# Altium PCB PCB1.PcbDoc
Units mm, origin at the board's own origin, x right, y up, seen from the top; angles counter-clockwise.
Board outline 386.65 x 221.13 mm, 2 copper layers (Top Layer, Bottom Layer); 108 components, 51 nets, 270 pads, 20 vias.
Unrouted connection lines stored in the file: 70.
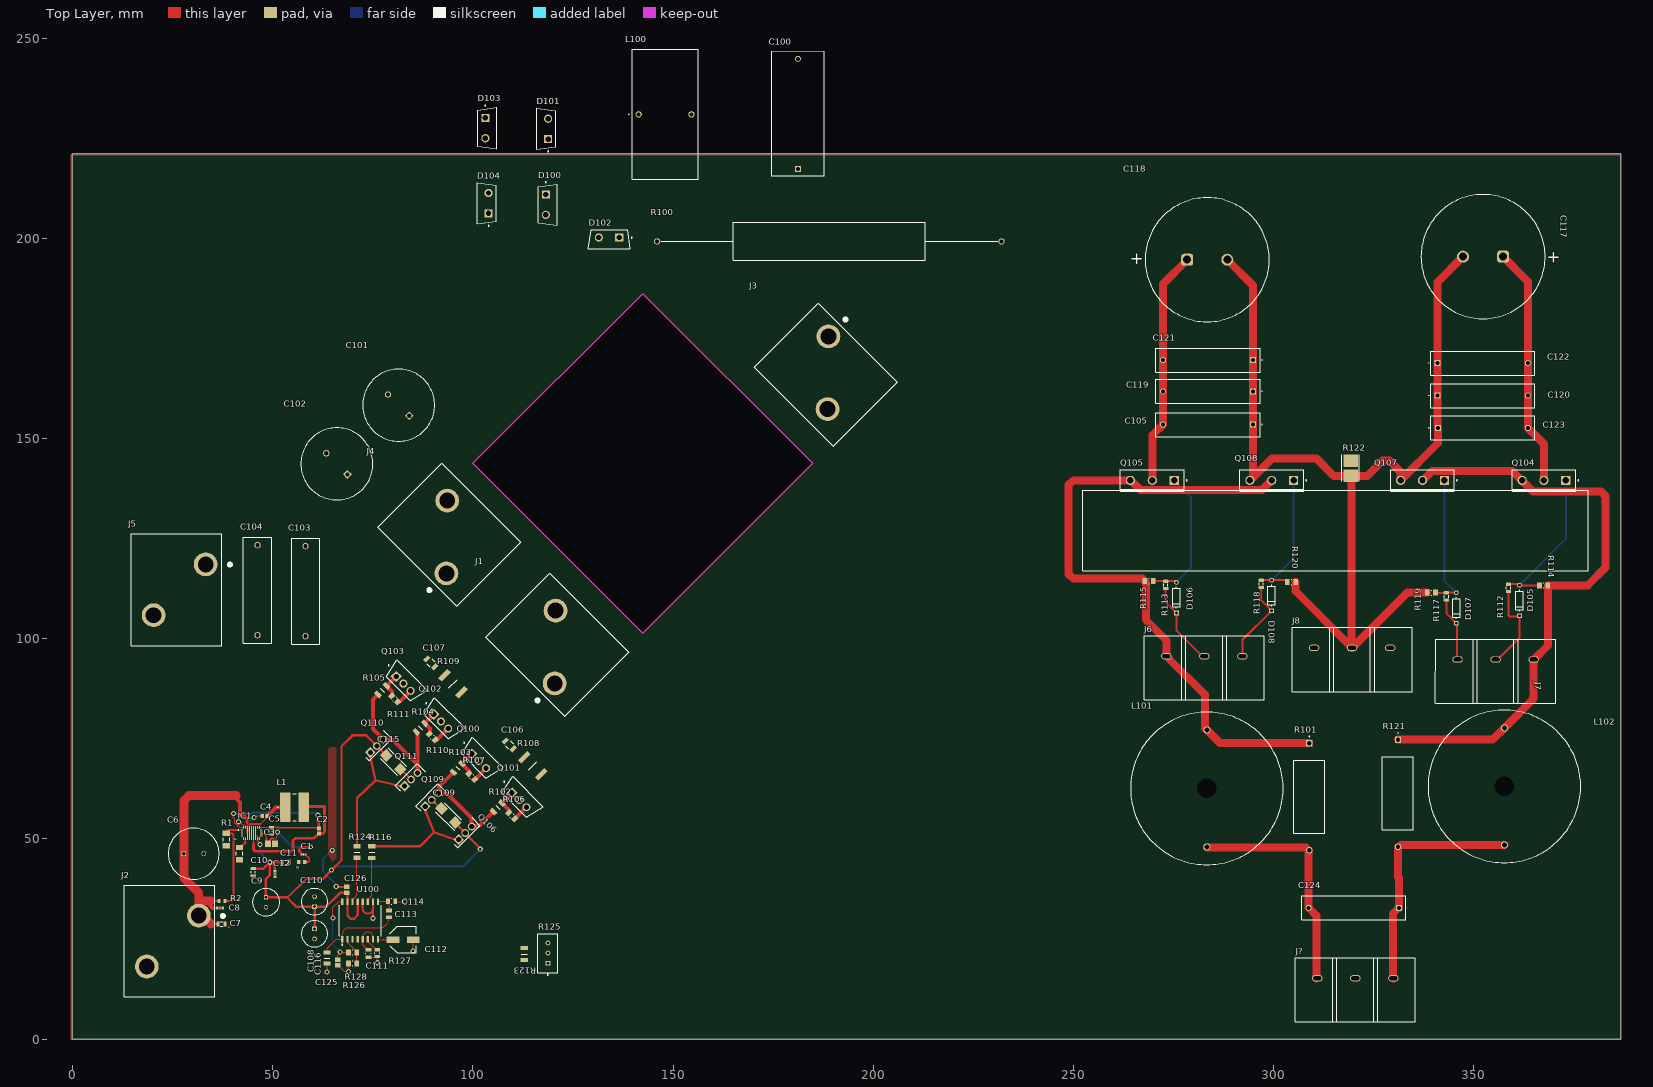
[diagram p0: Top Layer view]
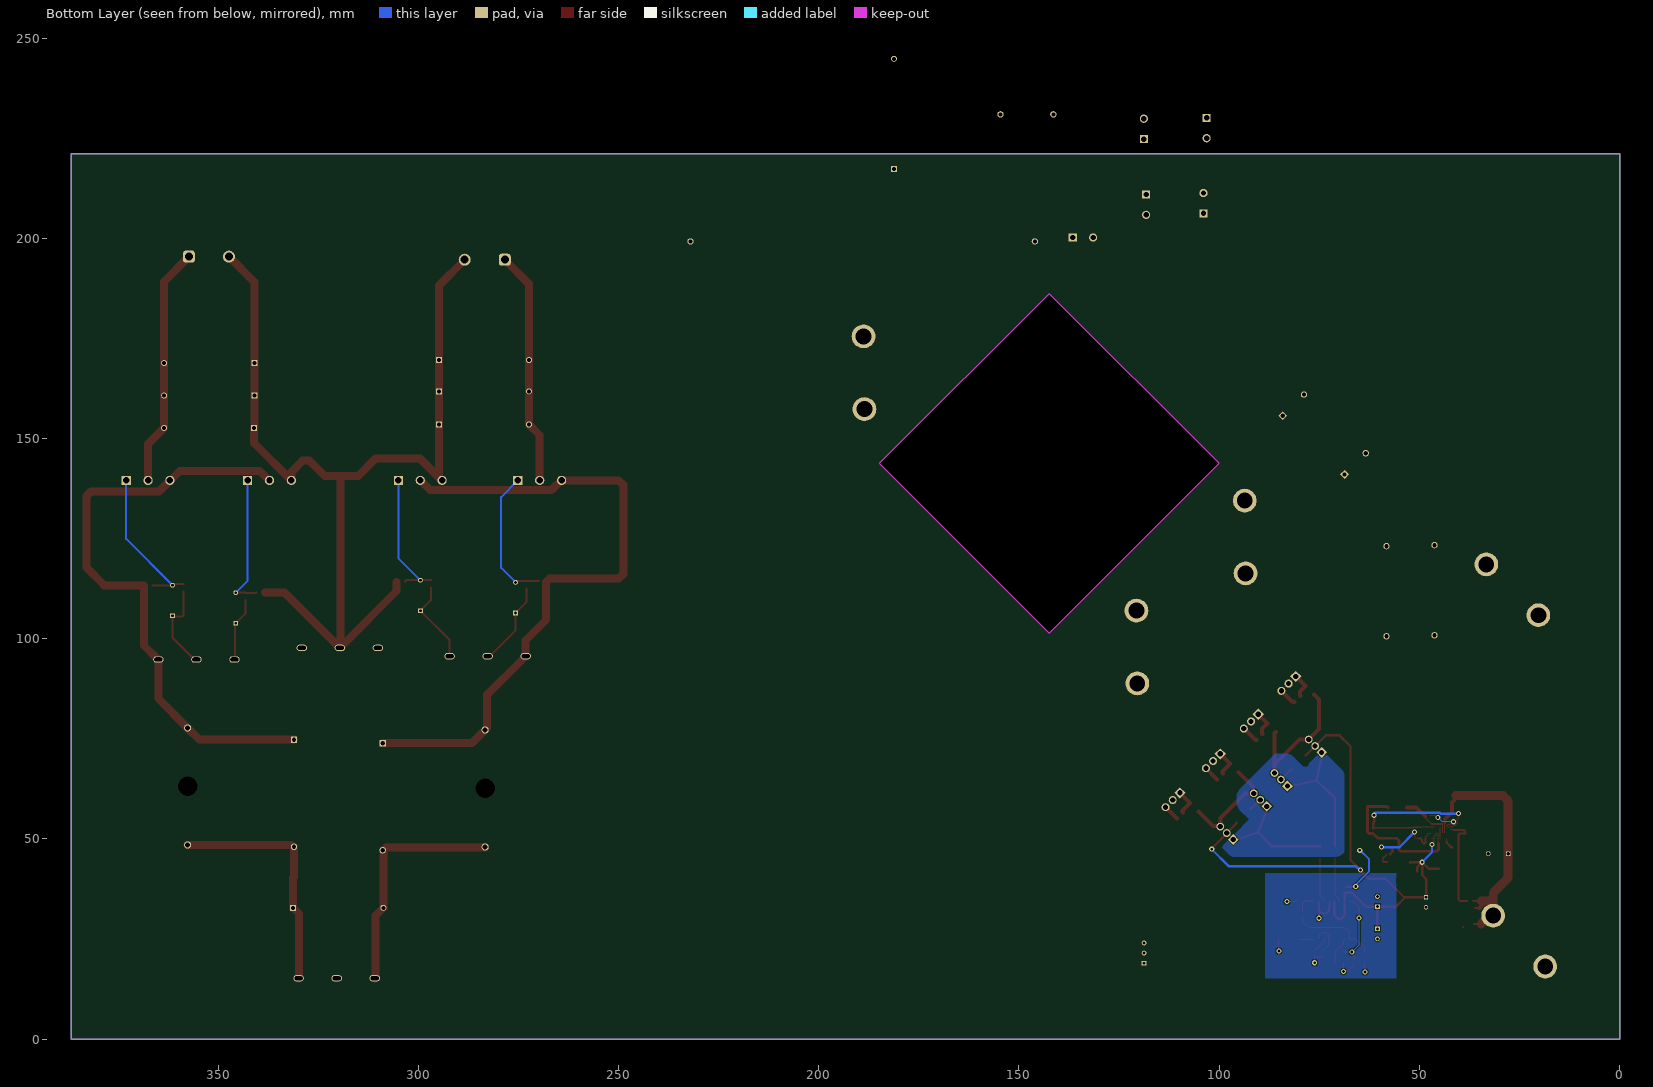
[diagram p1: Bottom Layer view, seen from below]
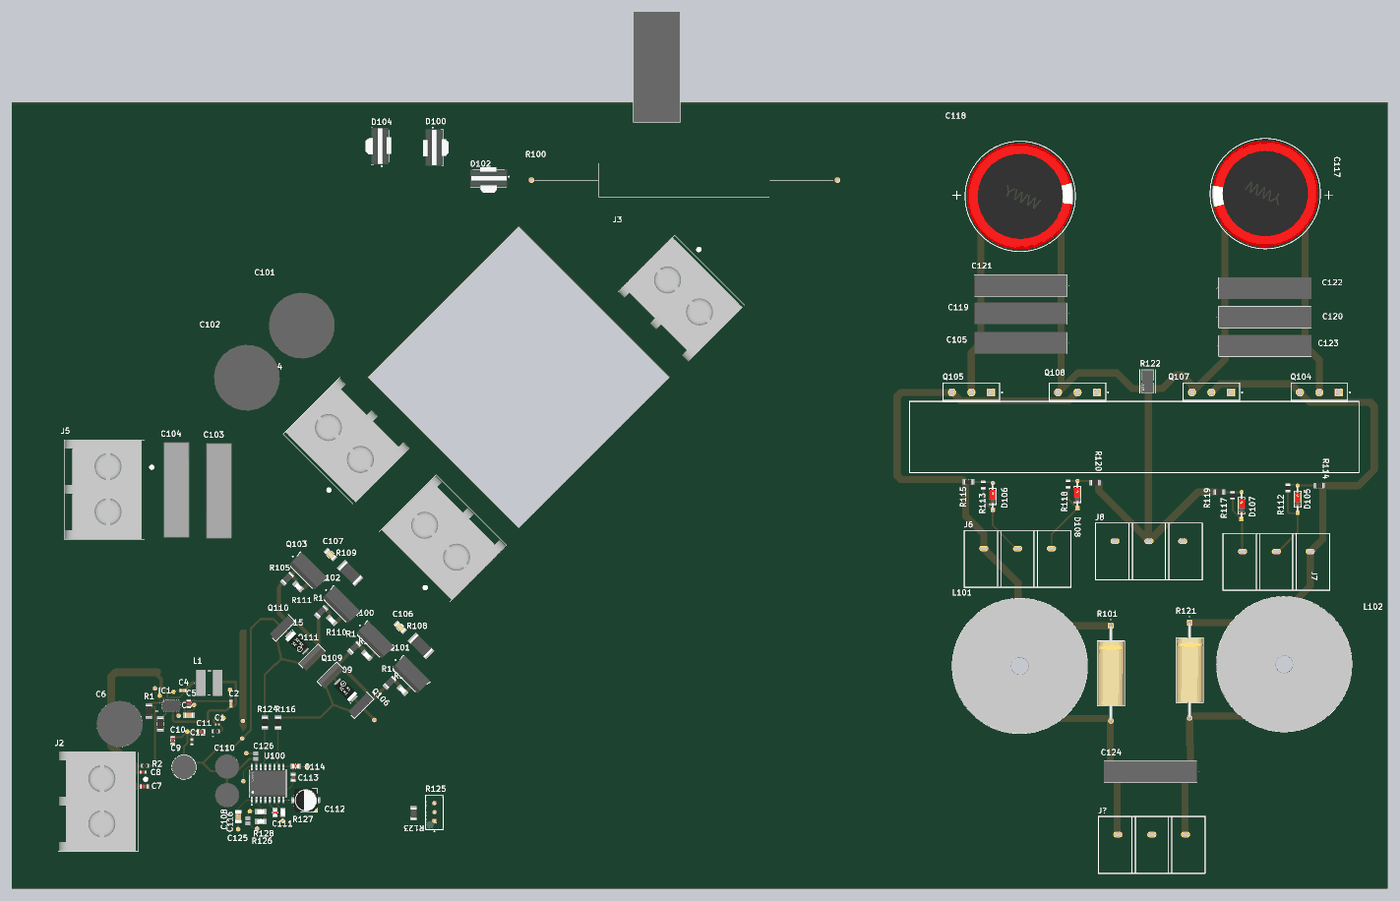
[diagram p2: 3D render of the assembled board from above, using the file's embedded part models]

## Layer stack, top to bottom
Top Solder: solder mask 0.0102, Solder Resist, Dk 3.5
Top Layer: signal copper 0.07
Dielectric 1: dielectric 0.32, FR-4, Dk 4.8
Bottom Layer: signal copper 0.07
Bottom Solder: solder mask 0.0102, Solder Resist, Dk 3.5

## Board outline
0,0 0,221.125 386.65,221.125 386.65,0
cut-out: 142.451,101.349 100.025,143.775 142.451,186.201 184.878,143.775

## Design rules (kind name [scope] priority, off if disabled: settings)
Clearance HV_clearence [InNetClass('HV_nets')] p1: gap=2.5 ignorepadtopadclearanceinfootprint=TRUE
Clearance [All] p2: gap=0.254 ignorepadtopadclearanceinfootprint=TRUE
Creepage HV_creepage [InNetClass('HV')] p1: checkdistance=4 applytopolygonpour=TRUE
PolygonConnect [All] p1: connectstyle=Relief reliefconductorwidth=0.254 reliefentries=4 polygonreliefangle="90 Angle" airgapwidth=0.254
RoutingVias [All] p1: holewidth=0.711 width=1.27 viastyle="Through Hole" minholewidth=0.711 minwidth=1.27 maxholewidth=0.711 maxwidth=1.27
SolderMaskExpansion [All] p1: expansion=0 istentingtop=FALSE
SupplyNets "Schematic Supply Nets_2" [InNet('+400')] p1: voltage=0.000
SupplyNets "Schematic Supply Nets_1" [InNet('VBB')] p2: voltage=0.000
SupplyNets "Schematic Supply Nets" [InNet('GND')] p3: voltage=0.000
Width HV_width [InNetClass('HV_nets')] p1: maxlimit=4 minlimit=0.5 preferedwidth=2 bottomlayer_minwidth=2 minimp=50.000000 maximp=50.000000 favimp=50.000000
Width [All] p2: maxlimit=2.5 minlimit=0.1 preferedwidth=0.254
30 further rules are at their usual default settings.

## Classes and differential pairs
component class U_powersupply: C1 C2 C3 C4 C5 C6 C7 C9 C10 C11 C12 IC1 L1 R1 R2 R3 R4
component class U_24Vto320V: C100 C101 C102 C103 C104 C105 C106 C107 C108 C109 C110 C111 C112 C113 C114 C115 C116 C117 C118 C119 C120 C121 C122 C123 C124 C125 C126 D100 D101 D102 D103 D104 D105 D106 D107 D108 L100 L101 L102 Q100 Q101 Q102 Q103 Q104 Q105 Q106 Q107 Q108 Q109 Q110 Q111 R100 R101 R102 R103 R104 R105 R106 R107 R108 R109 R110 R111 R112 R113 R114 R115 R116 R117 R118 R119 R120 R121 R122 R123 R124 R125 R126 R127 R128 U100
component class Overview: J1 J2 J3 J4 J5 J6 J7 J8 J?

## Components (designator, comment, footprint, x,y, rotation, side; value= is the part's Value field where it differs from the comment)
C1 "Capacitor 1nF +/-20% 50V 0402" CAPC0402(1005)33_L 57.725,46.15 r180 top value=1nF
C2 "Capacitor 100 nF +/-10% 50 V 0603" CAPC1608X90X40NL10T20 61.55,52.025 r270 top value=100nF
C3 "Capacitor 1 uF +/- 10% 25 V 0805" CAPC2013X145X50ML20T25 49.7,48.8 r180 top value=1µF
C4 "Capacitor 100 nF +/-10% 50 V 0603" CAPC1608X90X40NL10T20 48.025,55.75 r0 top value=100nF
C5 "Capacitor 4.7µF +/-40% 25V 0805" CAPC0805(2012)145_L 49.7,52 r90 top value=4.7µF
C6 "EKXJ251ELL560MK20S" CAPPRD500W60D1275H2000 27.8,46.325 r0 top
C7 "Capacitor 22µF +/-40% 16V 0805" CAPC0805(2012)145_L 37.225,28.75 r180 top value=22µF
C8 "Capacitor 1µF +/-40% 50V 0603" CAPC0603(1608)100_L 36.875,32.775 r180 top value=1µF
C9 "35ZLH100MEFC6.3X11" CAPPRD250W50D680H1250 48.35,35.45 r270 top
C10 "Capacitor 22µF +/-40% 16V 0805" CAPC0805(2012)145_L 45.175,41.7 r90 top value=22µF
C11 "Capacitor 22µF +/-40% 16V 0805" CAPC0805(2012)145_L 53.2,44.2 r180 top value=22µF
C12 "Capacitor 1µF +/-40% 50V 0603" CAPC0603(1608)100_L 50.55,41.275 r90 top value=1µF
C100 "4uF 600V" ECWFE2J225P5 181.2,217.325 r90 top
C101 "1500uF 35V" CAPPRD750W85D1800H2200 84.125,155.675 r135 top
C102 "1500uF 35V" CAPPRD750W85D1800H2200 68.7,141.025 r135 top
C103 "1uF" R75IN41004040J 58.225,111.875 r90 top
C104 "1uF" R75IN41004040J 46.225,112.125 r90 top
C105 "KYET MMKP224J2J2201" 222233915224 294.85,153.5 r180 top
C106 "4.7n" FP-C1206C-EB-MFG 109.1,73.5 r315 top value="4,700 pF"
C107 "4.7n4700PF" FP-C1206C-EB-MFG 89.475,93.975 r315 top value="4,700 pF"
C108 "47u" CAPPRD250W55D655H1220 60.475,27.575 r270 top
C109 "293D226X9025C2TE3" CAPPM6032X280N 93.875,55.85 r135 top
C110 "47u" CAPPRD250W55D655H1220 60.475,33.1 r90 top
C111 "CC0805KRX7R9BB472" FP-CC0805-0_85-MFG 73.95,21.4 r270 top value="4.7 nF"
C112 "100u" EEE0JA331XP 82.6,24.875 r0 top
C113 "47n" CAPC2012X145N 79.075,31.3 r90 top
C114 "10n" FP-CC0805-0_85-MFG 79.725,34.45 r0 top value="10 nF"
C115 "293D226X9025C2TE3" CAPPM6032X280N 80.125,69.15 r315 top
C116 "100p" CAPC3216X88N 63.6,20.275 r90 top
C117 "KNSCHA LSG450M277S253S1AA" WCAP-AIG8_D30H30 352.275,195.425 r0 top
C118 "KNSCHA LSG450M277S253S1AA" WCAP-AIG8_D30H30 283.4,194.65 r180 top
C119 "KYET MMKP224J2J2201" 222233915224 294.85,161.8 r180 top
C120 "KYET MMKP224J2J2201" 222233915224 340.95,160.725 r0 top
C121 "KYET MPB105J2J2201" 222233915224 294.85,169.6 r180 top
C122 "KYET MPB105J2J2201" 222233915224 340.95,168.85 r0 top
C123 "KYET MMKP224J2J2201" 222233915224 340.975,152.65 r0 top
C124 "C42Q320543P90001" 222233915224 331.225,32.825 r180 top
C125 "1uF" CAPC2013X140X50LL20T25 66.3,19.15 r270 top
C126 "GCM21BR71E104KA37L" CAPC2013X140X45LL15T25 68.5,37.3 r270 top
D100 "MUR860G" FP-221B-04-MFG 118.698,208.4 r0 top
D101 "MUR860G" FP-221B-04-MFG 118.348,227.325 r180 top
D102 "MUR860G" FP-221B-04-MFG 134.025,199.75 r270 top
D103 "MUR860G" FP-221B-04-MFG 103.593,227.54 r0 top
D104 "MUR860G" FP-221B-04-MFG 103.478,208.765 r180 top
D105 "1N4148" FP-017AG-MFG 361.375,109.55 r90 top
D106 "1N4148" FP-017AG-MFG 275.7,110.275 r90 top
D107 "1N4148" FP-017AG-MFG 345.6,107.7 r90 top
D108 "1N4148" FP-017AG-MFG 299.475,110.812 r90 top
IC1 "TPS55289RYQR" TPS55289RYQR 44.75,51.5 r0 top
J1 "38969-0002" 389690002 120.45,88.85 r135 top
J2 "Battery" 389690002 31.575,30.85 r270 top
J3 "38969-0002" 389690002 188.8,175.525 r315 top
J4 "38969-0002" 389690002 93.4,116.325 r135 top
J5 "Battery" 389690002 33.3,118.575 r270 top
J6 "DORABO DBT50G-9.5-3P-BK-P OGC" "DORABO DBT50G-9.5-3P-BK-P OGC" 282.675,95.65 r0 top
J7 "DORABO DBT50G-9.5-3P-BK-P OGC" "DORABO DBT50G-9.5-3P-BK-P OGC" 355.4,94.825 r0 top
J8 "DORABO DBT50G-9.5-3P-BK-P OGC" "DORABO DBT50G-9.5-3P-BK-P OGC" 319.575,97.725 r0 top
J? "DORABO DBT50G-9.5-3P-BK-P OGC" "DORABO DBT50G-9.5-3P-BK-P OGC" 320.375,15.225 r0 top
L1 "CDRH6D38T125NP-3R9NC" CDRH6D18HPNP101PC 55.45,57.9 r90 top
L100 "2mH" 2300LL102VRC 141.4,230.95 r0 top
L101 "1140-821K-RC" 1140821KRC 283.3,77.23 r270 top
L102 "1140-821K-RC" 1140821KRC 357.6,77.73 r270 top
Q100 "IRFB4115PBF" FP-PG-TO220-3-MFG 101.95,69.9 r45 top
Q101 "IRFB4115PBF" FP-PG-TO220-3-MFG 112.027,60.16 r45 top
Q102 "IRFB4115PBF" FP-PG-TO220-3-MFG 92.475,79.8 r45 top
Q103 "IRFB4115PBF" FP-PG-TO220-3-MFG 83.102,89.235 r45 top
Q104 "IRFP460PBF" VISH-TO-247AC-3 367.475,139.55 r270 top
Q105 "IRFP460PBF" VISH-TO-247AC-3 269.675,139.55 r270 top
Q106 "2SD882" BD235 96.486,49.861 r225 top
Q107 "IRFP460PBF" VISH-TO-247AC-3 337.15,139.55 r270 top
Q108 "IRFP460PBF" VISH-TO-247AC-3 299.5,139.55 r270 top
Q109 "2SB772" TO229P290X760X1320-3P 88.131,58.156 r45 top
Q110 "2SD882" BD235 74.406,71.606 r225 top
Q111 "2SB772" TO229P290X760X1320-3P 82.956,63.231 r45 top
R1 "Resistor 100k +/-1% 1206 250 mW" RESC3216X60X45ML15T20 38.45,49.875 r270 top value=100k
R2 "Resistor 100k +/-1% 0603 100 mW" RESC1608X55X25ML10T15 37.35,34.575 r0 top value=100k
R3 "Resistor 100k +/-1% 0603 100 mW" RESC1608X55X25ML10T15 57.275,44.25 r0 top value=100k
R4 "Resistor 100k +/-1% 1206 250 mW" RESC3216X60X45ML15T20 41.725,46.35 r90 top value=100k
R100 "1K2 10W" SQP10AJB100R 146.025,199.225 r0 top
R101 "AC05000001200JAC00" RES_AC05_VIS 308.875,73.946 r270 top
R102 "10" RESC3216X60N 106.2,57.9 r45 top
R103 "10" RESC3216X60N 96.2,67.725 r45 top
R104 "10" RESC3216X60N 86.925,77.8 r45 top
R105 "10" RESC3216X60N 77.389,87.164 r45 top
R106 "10k" FP-CRCW0805-e3-IPC_A 109.743,55.832 r135 top
R107 "10k" FP-CRCW0805-e3-IPC_A 99.775,65.6 r135 top
R108 "10R" RESC6332X70N 114.95,68.275 r135 top
R109 "10R" RESC6332X70N 95.05,88.775 r135 top
R110 "10k" FP-CRCW0805-e3-IPC_A 89.9,75.475 r135 top
R111 "10k" FP-CRCW0805-e3-IPC_A 80.457,84.968 r135 top
R112 "4.7 Ohm" RESC0805(2012)_L 358.625,112.725 r90 top value=470
R113 "4.7 Ohm" RESC0805(2012)_L 273.025,113.475 r90 top value=470
R114 "Resistor 10k +/-1% 0805 125 mW" RESC2013X50X35ML15T15 367.4,113.35 r180 top value=10k
R115 "Resistor 10k +/-1% 0805 125 mW" RESC2013X50X35ML15T15 268.85,114.4 r0 top value=10k
R116 "12R" RESC3116X65N 74.775,46.7 r90 top
R117 "4.7 Ohm" RESC0805(2012)_L 343.1,110.6 r90 top value=470
R118 "4.7 Ohm" RESC0805(2012)_L 296.875,113.725 r90 top value=470
R119 "Resistor 10k +/-1% 0805 125 mW" RESC2013X50X35ML15T15 339.375,111.525 r0 top value=10k
R120 "Resistor 10k +/-1% 0805 125 mW" RESC2013X50X35ML15T15 304.425,114.15 r180 top value=10k
R121 "AC05000001200JAC00" RES_AC05_VIS 331.025,74.796 r270 top
R122 "GMR100HTCFAR100" FP-GMR100-MFG 319.2,142.6 r270 top
R123 "390k" RESC3216X60N 112.85,21.25 r270 top
R124 "CRCW120612R0FKEAHP" RESC3116X65N 71.075,46.75 r90 top
R125 "3296W-1-103LF" FP-3296W-MFG 118.745,21.5 r0 top
R126 "75k" FP-CRCW0805-e3-IPC_A 69.974,18.95 r0 top
R127 "3k" FP-CRCW0805-e3-IPC_C 76.15,21.474 r90 top
R128 "75k" FP-CRCW0805-e3-IPC_A 69.974,21.675 r0 top
U100 "SG3525ADWR2G" FP-751G-MFG 71.875,29.625 r90 top

## Footprints (in the part's own frame and the unit in brackets; to place one, negate y for a bottom-side part, rotate by r counter-clockwise, add the part's x,y. Pads: shape width x height; smd on the part's side, far side on the other; paste and mask are expansions set on the pad)
2300LL102VRC [mm]
  round 1.59 hole 1.06: 1(0,0) 2(13.208,0)
  silkscreen extent -2.5,-16.25 14.86,16.26, body extent -0.43,-14.91 13.64,14.91, height 30.78
1140821KRC [mm]
  round 1.8 hole 1.216: 1(0,0) 2(29.21,0)
  round 2.451 hole 4.902 unplated: 3(14.605,0)
  silkscreen extent -4.44,-19.05 33.66,19.05, body extent -4.44,-19.05 33.66,19.05, height 26.7
389690002 [mm]
  round 5.94 hole 3.96: 1(0,0) 2(12.7,-13)
  silkscreen extent -7.6,-18.6 20.3,6.05, body extent -7.73,-18.38 20.21,3.21, height 22.48
222233915224 [mm]
  rect 1.5x1.5 hole 1: 1(0,0)
  round 1.5 hole 1: 2(22.5,0)
  silkscreen extent -2.3,-3 24.25,3, body extent -1.75,-3 24.25,3, height 15.6
BD235 [mm]
  rect 1.92x1.92 hole 1.28: 1(0,0)
  round 1.92 hole 1.28: 2(-2.29,0) 3(-4.58,0)
  silkscreen extent -6.19,-1.6 1.61,1.3, body extent -5.99,-1.35 1.41,1.05, height 12.93
CAPC0402(1005)33_L [mm] "Chip Capacitor, Body 1.0x0.5mm, Height 0.33mm, IPC High Density"
  rrect25% 0.5x0.55 smd: 1(-0.45,0) 2(0.45,0)
  silkscreen extent 0,-0.2 0,0.2, body extent -0.5,-0.25 0.5,0.25, height 0.55
CAPC0603(1608)100_L [mm] "Chip Capacitor, Body 1.6x0.8mm, Height 1.0mm, IPC High Density"
  rrect25% 0.66x0.76 smd: 1(-0.7,0) 2(0.7,0)
  silkscreen extent 0,-0.3 0,0.3, body extent -0.8,-0.4 0.8,0.4, height 0.95
CAPC0805(2012)145_L [mm] "Chip Capacitor, Body 2.0x1.2mm, Height 1.45mm, IPC High Density"
  rrect25% 0.76x1.3 smd: 1(-0.9,0) 2(0.89,0)
  silkscreen extent -0.3,-0.55 0.3,0.55, body extent -1,-0.6 1,0.6, height 1.45
CAPC1608X90X40NL10T20 [mm] "Chip Capacitor, 2-Leads, Body 1.70x0.90mm, IPC Medium Density"
  rect 0.95x0.95 smd: 1(-0.625,0) 2(0.625,0)
  body extent -0.85,-0.45 0.85,0.45, height 0.9
CAPC2012X145N [mm]
  rect 0.97x1.47 smd: 1(-0.83,0) 2(0.83,0)
  body extent -1,-0.63 1,0.63, height 1.45
CAPC2013X140X45LL15T25 [mm] "Chip Capacitor, 2-Leads, Body 2.00x1.25mm, IPC High Density"
  rect 1.05x1.35 smd: 1(-0.75,0) 2(0.75,0)
  body extent -1.08,-0.7 1.07,0.7, height 1.4
CAPC2013X140X50LL20T25 [mm] "Chip Capacitor, 2-Leads, Body 2.00x1.25mm, IPC High Density"
  rect 1.1x1.35 smd: 1(-0.7,0) 2(0.7,0)
  body extent -1.1,-0.72 1.1,0.72, height 1.4
CAPC2013X145X50ML20T25 [mm] "Chip Capacitor, 2-Leads, Body 2.2x1.45mm, IPC Low Density"
  rect 1.5x1.55 smd: 1(-0.9,0) 2(0.9,0)
  body extent -1.1,-0.72 1.1,0.73, height 1.45
CAPC3216X88N [mm]
  rect 1.02x1.82 smd: 1(-1.4,0) 2(1.4,0)
  silkscreen extent 0,-0.7 0,0.7, body extent -1.7,-0.9 1.7,0.9, height 0.88
CAPPM6032X280N [mm]
  rect 2.35x2.25 smd: 1(-2.45,0) 2(2.45,0)
  silkscreen extent -3.62,-1.6 3,1.6, body extent -3.1,-1.67 3.1,1.68, height 2.54
CAPPRD250W50D680H1250 [mm]
  rect 1.1x1.1 hole 0.7: 1(0,0)
  round 1.1 hole 0.7: 2(2.5,0)
  silkscreen extent -2.15,-3.4 4.65,3.4, body extent -2.14,-3.4 4.65,3.4, height 12.5
CAPPRD250W55D655H1220 [mm]
  rect 1.15x1.15 hole 0.75: 1(0,0)
  round 1.15 hole 0.75: 2(2.5,0)
  silkscreen extent -2.02,-3.27 4.52,3.27, body extent -2.14,-3.4 4.65,3.4, height 12.2
CAPPRD500W60D1275H2000 [mm]
  rect 1.2x1.2 hole 0.8: 1(0,0)
  round 1.2 hole 0.8: 2(5,0)
  silkscreen extent -3.87,-6.37 8.88,6.37, body extent -3.99,-6.5 9,6.5, height 20
CAPPRD750W85D1800H2200 [mm]
  rect 1.575x1.575 hole 1.05: 1(0,0)
  round 1.575 hole 1.05: 2(7.5,0)
  silkscreen extent -5.25,-9 12.75,9, body extent -5.49,-9.25 13,9.25, height 22
CDRH6D18HPNP101PC [mm]
  rect 7.3x2.65 smd: 1(0,2.325) 2(0,-2.325)
  silkscreen extent -3.35,-0.4 3.35,4.2
"DORABO DBT50G-9.5-3P-BK-P OGC" [mm]
  oval 2.6x1.6 hole 1 slot 2 at 0 deg: 1(-9.5,0) 2(0,0) 3(9.5,0)
  silkscreen extent -15.01,-10.92 15,5.1
ECWFE2J225P5 [mm]
  rect 1.5x1.5 hole 1: 1(0,0)
  round 1.5 hole 1: 2(27.5,0)
  silkscreen extent -1.85,-6.6 29.35,6.6, body extent -1.75,-6.5 29.25,6.5, height 23.6
EEE0JA331XP [mm]
  rect 3.2x1.6 smd: 1(-2.5,0) 2(2.5,0)
  silkscreen extent -4.88,-3.3 3.3,3.3, body extent -3.65,-3.3 3.65,3.3, height 7.7
FP-017AG-MFG [mm]
  rect 1.2x1.2 hole 0.7 paste-2539.97 mask+0: 1(-3.813,0)
  round 1.2 hole 0.7 paste-2539.97 mask+0: 2(3.813,0)
  silkscreen extent -2.68,-0.95 2.68,0.95, body extent -4.51,-1.05 4.51,1.05, height 0.25
FP-221B-04-MFG [mm]
  rect 2.05x2.05 hole 1.35 paste-2539.97 mask+0: 1(-0.445,2.54)
  round 2.05 hole 1.35 paste-2539.97 mask+0: 3(-0.445,-2.54)
  silkscreen extent -2.41,-5.15 2.41,5.75, body extent -2.51,-5.25 2.51,5.25, height 0.25
FP-751G-MFG [mm]
  rect 1.62x0.58 smd paste+0 mask+0: 1(-4.69,4.445) 2(-4.69,3.175) 3(-4.69,1.905) 4(-4.69,0.635) 5(-4.69,-0.635) 6(-4.69,-1.905) 7(-4.69,-3.175) 8(-4.69,-4.445) 9(4.69,-4.445) 10(4.69,-3.175) 11(4.69,-1.905) 12(4.69,-0.635) 13(4.69,0.635) 14(4.69,1.905) 15(4.69,3.175) 16(4.69,4.445)
  silkscreen extent -6.17,-5.23 3.8,5.23, body extent -5.6,-5.48 5.6,5.48, height 0.25
FP-3296W-MFG [mm]
  rect 1.2x1.2 hole 0.7 paste-2539.97 mask+0: 1(0.005,-2.54)
  round 1.2 hole 0.7 paste-2539.97 mask+0: 2(0.005,0) 3(0.005,2.54)
  silkscreen extent -2.48,-5.52 2.48,4.89, body extent -2.58,-4.99 2.58,4.99, height 0.25
FP-C1206C-EB-MFG [mm]
  rect 0.95x1.7 smd paste+0 mask+0: 1(-1.4,0) 2(1.4,0)
  silkscreen extent -0.55,-0.9 0.55,0.9, body extent -2,-1 2,1, height 0.25
FP-CC0805-0_85-MFG [mm]
  rect 0.95x1.4 smd paste+0 mask+0: 1(-0.925,0) 2(0.925,0)
  silkscreen extent -0.08,-0.72 0.08,0.72, body extent -1.6,-1.05 1.6,1.05, height 0.25
FP-CRCW0805-e3-IPC_A [mil]
  rect 47.5x59.38 smd paste+0 mask+0: 1(-41.37,0) 2(41.37,0)
  silkscreen extent -3,-25 3,25, body extent -85,-49 85,49, height 10
FP-CRCW0805-e3-IPC_C [mil]
  rect 31.75x51.5 smd paste+0 mask+0: 1(-33.5,0) 2(33.5,0)
  silkscreen extent -3,-25 3,25, body extent -53,-31 53,31, height 10
FP-GMR100-MFG [mm]
  rect 3.1x3.6 smd paste+0 mask+0: 1(-1.85,0) 2(1.85,0)
  silkscreen extent -3.32,-2.17 3.32,2.17, body extent -3.5,-1.9 3.5,1.9, height 0.25
FP-PG-TO220-3-MFG [mm]
  rect 2x2 hole 1.3 paste-2539.97 mask+0: 1(-0.61,2.54)
  round 2 hole 1.3 paste-2539.97 mask+0: 2(-0.61,0) 3(-0.61,-2.54)
  silkscreen extent -2.41,-5.37 2.41,6, body extent -2.51,-5.6 2.51,5.6, height 0.25
R75IN41004040J [mm]
  round 1.575 hole 1.05: 1(-11.25,0) 2(11.25,0)
  silkscreen extent -13.25,-3.5 13.25,3.5, body extent -13.4,-3.6 13.4,3.6, height 16.1
RES_AC05_VIS [mil]
  rect 63x63 / inner round 60 / far side rect 63x63 hole 43 paste-99999 mask+0: 1(0,0)
  round 63 / inner round 60 / far side round 63 hole 43 paste-99999 mask+0: 2(1053,0)
  silkscreen extent -69,-152 886,153, body extent -16,-147 1069,147, height 295
RESC0805(2012)_L [mm] "Chip Resistor, Body 2.0x1.3mm, IPC High Density"
  rrect25% 0.76x1.3 smd: 1(-0.9,0) 2(0.89,0)
  silkscreen extent -0.3,-0.55 0.3,0.55, body extent -1,-0.62 1,0.63, height 0.6
RESC1608X55X25ML10T15 [mm] "Chip Resistor, 2-Leads, Body 1.70x0.90mm, IPC Low Density"
  rect 0.8x1 smd: 1(-0.75,0) 2(0.75,0)
  body extent -0.85,-0.45 0.85,0.45, height 0.55
RESC2013X50X35ML15T15 [mm] "Chip Resistor, 2-Leads, Body 2.2x1.4mm, IPC Low Density"
  rect 1.2x1.5 smd: 1(-1.05,0) 2(1.05,0)
  silkscreen extent -0.05,-0.65 0.05,0.65, body extent -1.1,-0.7 1.1,0.7, height 0.5
RESC3116X65N [mm]